# Altium PCB TwoFoot_PCB_m4T1Top2.PcbDoc (part 1 of 9)
Units mil, origin at the board's own origin, x right, y up, seen from the top; angles counter-clockwise.
Board outline 2525.58 x 2682.53 mil, 2 copper layers (Top Layer, Bottom Layer); 83 components, 113 nets, 349 pads, 87 vias.
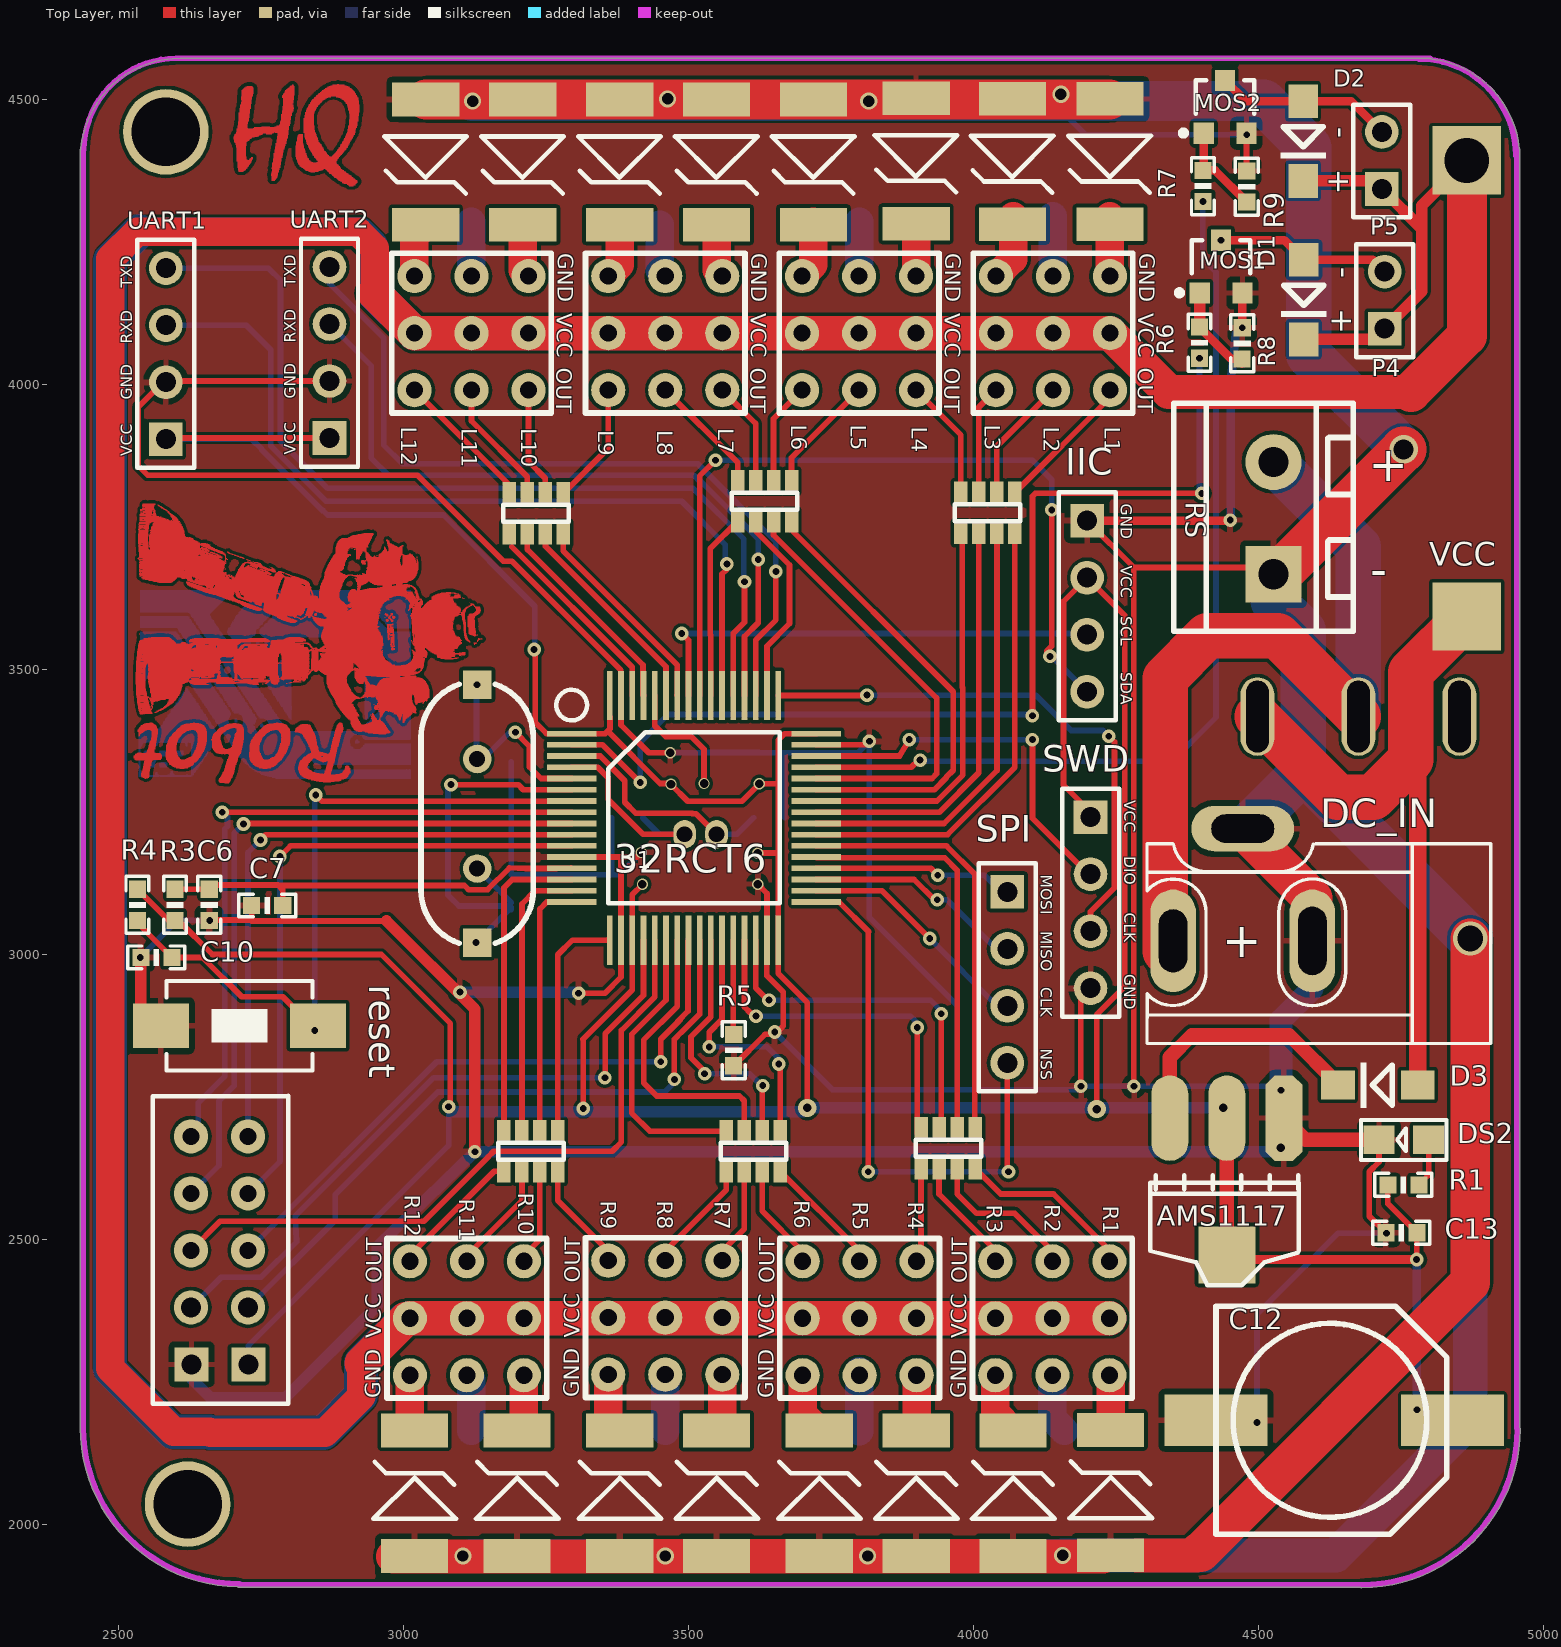
[diagram p0: Top Layer view]
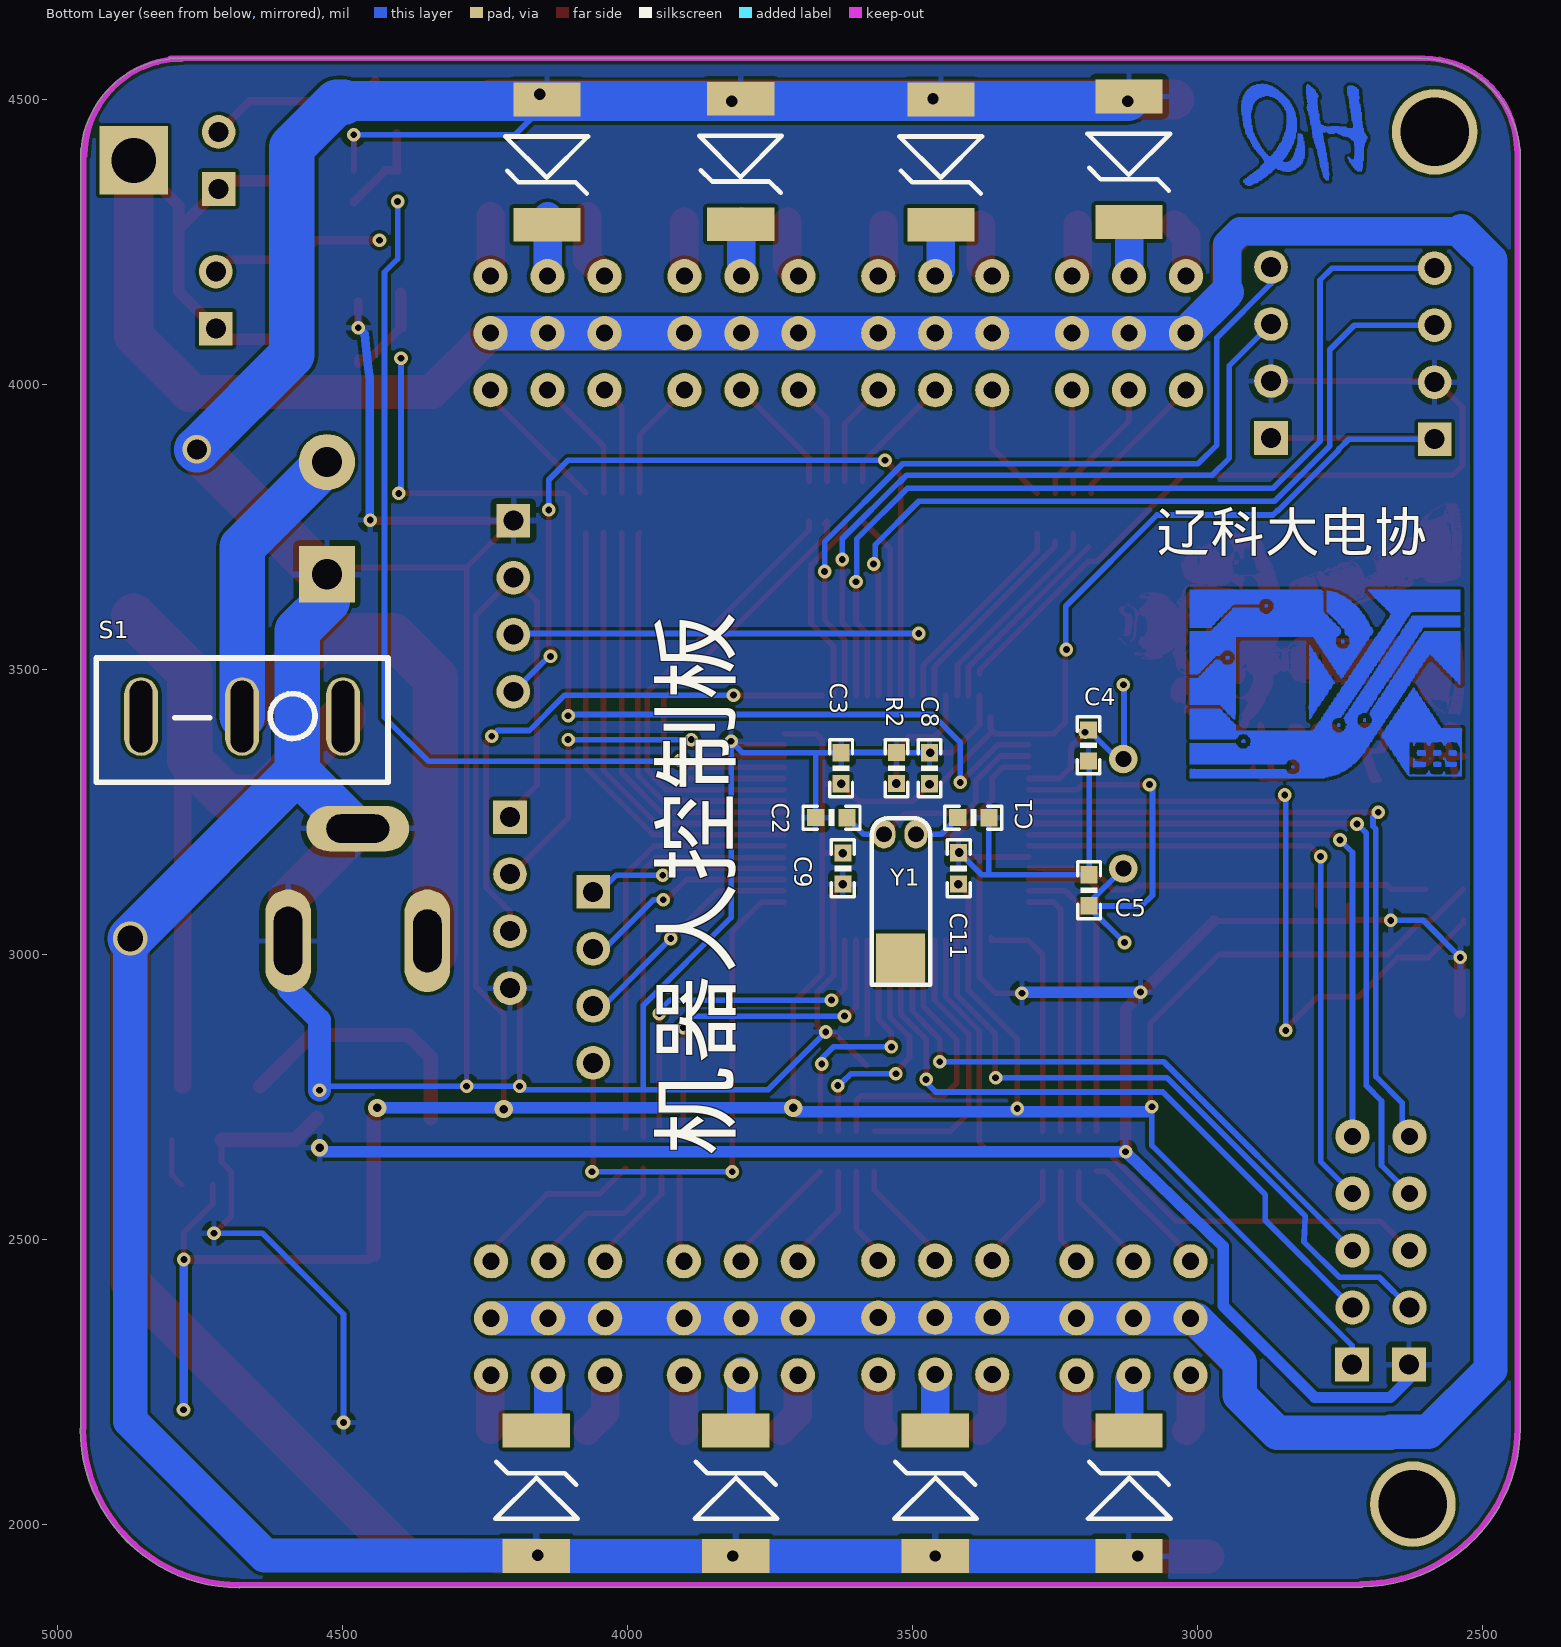
[diagram p1: Bottom Layer view, seen from below]

## Layer stack, top to bottom
Top Solder: solder mask 0.4, Solder Resist, Dk 3.5
Top Layer: signal copper 1.4
Dielectric 1: dielectric 12.6, FR-4, Dk 4.8
Bottom Layer: signal copper 1.4
Bottom Solder: solder mask 0.4, Solder Resist, Dk 3.5

## Board outline
2433.99,2170 ccw(c2713.05,2170) 2710.08,1890.96 ccw(c2713.05,1895) 2713.05,1889.98 4679.32,1889.98 ccw(c4681.5,1894.5) 4681.5,1889.49 ccw(c4681.5,2167.55) 4959.56,2167.55 ccw(c4954.55,2167.55) 4959.01,2169.83 ccw(c4954,2170) 4959.02,2170 4959.02,4411 ccw(c4954,4411) 4958.21,4413.72 ccw(c4784,4397) 4804.8,4570.77 ccw(c4801.5,4567) 4801.5,4572.02 2609,4572.02 ccw(c2609,4397) 2434.79,4413.72 ccw(c2439,4411) 2433.99,4411

## Design rules (kind name [scope] priority, off if disabled: settings)
Clearance [All] p1: gap=6 ignorepadtopadclearanceinfootprint=FALSE
FabricationTestpoint [All] p1: side=3 testpointundercomponent=TRUE minsize=40 maxsize=150 preferedsize=60 minholesize=0 maxholesize=40 preferedholesize=32 testpointgrid=1 allowsidetop=TRUE allowsidebottom=TRUE usegrid=TRUE gridtolerance=0.01
HoleSize [All] p1: absolutevalues=TRUE maxlimit=150 minlimit=1 maxpercent=80.000 minpercent=20.000
HoleToHoleClearance [All] p1: gap=6 allowstackedmicrovias=TRUE
MinimumSolderMaskSliver [All] p1: minsoldermaskwidth=1.5
PolygonConnect [All] p1: connectstyle=Relief reliefconductorwidth=10 reliefentries=4 polygonreliefangle="90 Angle" airgapwidth=10
RoutingVias [All] p1: holewidth=28 width=50 viastyle="Through Hole" minholewidth=10 minwidth=15 maxholewidth=120 maxwidth=150
ShortCircuit [All] p1: allowed=TRUE
SilkToSilkClearance [All] p1: silktosilkclearance=1
SilkToSolderMaskClearance [IsPad] p1: minsilkscreentomaskgap=2 clearancetoexposedcopper=TRUE
SolderMaskExpansion [All] p1: expansion=4
Width [All] p1: maxlimit=80 minlimit=4 preferedwidth=10
23 further rules are at their usual default settings.

## Components (designator, comment, footprint, x,y, rotation, side; value= is the part's Value field where it differs from the comment)
*1 "Header5x2" HDR2X5 2628,2381 r90 top
C1 "22" 0603P 3393,3240 r0 bottom
C2 "22" 0603P 3642,3240 r0 bottom
C3 "104" 0603P 3625,3327 r270 bottom
C4 "22" 0603P 3191,3367 r270 bottom
C5 "22" 0603P 3190,3113 r270 bottom
C6 "10UF" 0603P 2660,3087 r90 top
C7 "104" 0603P 2762,3086 r180 top
C8 "104" 0603P 3470,3327 r270 bottom
C9 "104" 0603P 3622,3151 r270 bottom
C10 "104" 0603P 2567,2995 r0 top
C11 "104" 0603P 3419,3151 r90 bottom
C12 "220uF" CAP1000UF 4626,2183 r180 top
C13 "104" 0603P 4751,2512 r0 top
D1 "1N4148" DIODE_SOP 4580,4219 r270 top
D2 "1N4148" DIODE_SOP 4579,4497 r270 top
D3 "1N4148" DIODE_SOP 4780,2771 r180 top
DC_IN "POWER" POWER_INDC 4770,3194 r180 top
DM1 "SMBJ" SMBJ 3020,2050 r90 top
DM2 "SMBJ" SMBJ 3210,4395 r270 top
DM3 "SMBJ" SMBJ 3120,2050 r90 bottom
DM4 "SMBJ" SMBJ 3120,4400 r270 bottom
DM5 "SMBJ" SMBJ 3200,2050 r90 top
DM6 "SMBJ" SMBJ 3040,4395 r270 top
DM7 "SMBJ" SMBJ 3380,2050 r90 top
DM8 "SMBJ" SMBJ 3550,4395 r270 top
DM9 "SMBJ" SMBJ 3460,2050 r90 bottom
DM10 "SMBJ" SMBJ 3450,4395 r270 bottom
DM11 "SMBJ" SMBJ 3550,2050 r90 top
DM12 "SMBJ" SMBJ 3380,4395 r270 top
DM13 "SMBJ" SMBJ 3730,2050 r90 top
DM14 "SMBJ" SMBJ 3900,4397 r270 top
DM15 "SMBJ" SMBJ 3810,2050 r90 bottom
DM16 "SMBJ" SMBJ 3801,4396 r270 bottom
DM17 "SMBJ" SMBJ 3900,2050 r90 top
DM18 "SMBJ" SMBJ 3720,4395 r270 top
DM19 "SMBJ" SMBJ 4070,2050 r90 top
DM20 "SMBJ" SMBJ 4240,4396 r270 top
DM21 "SMBJ" SMBJ 4160,2050 r90 bottom
DM22 "SMBJ" SMBJ 4141,4395 r270 bottom
DM23 "SMBJ" SMBJ 4241,2051 r90 top
DM24 "SMBJ" SMBJ 4069,4396 r270 top
DS2 "LED2" SMDLED 4799.04,2674.94 r180 top
ER1 "K" 8P4R_0603 3281,3809 r270 top
ER2 "K" 8P4R_0603 3177.01,2620 r90 top
ER3 "K" 8P4R_0603 3681.5,3830 r270 top
ER4 "K" 8P4R_0603 3567.01,2620 r90 top
ER5 "K" 8P4R_0603 3909,2625 r90 top
ER6 "K" 8P4R_0603 4072.99,3810 r270 top
H1 "hader_3*3" HEARD3X3 2812,2262 r90 top
H2 "hader_3*3" HEARD3X3 3420,4190 r270 top
H3 "hader_3*3" HEARD3X3 3160,2263 r90 top
H4 "hader_3*3" HEARD3X3 3760,4190 r270 top
H5 "hader_3*3" HEARD3X3 3501,2262 r90 top
H6 "hader_3*3" HEARD3X3 4100,4190 r270 top
H7 "hader_3*3" HEARD3X3 3839,2262 r90 top
H8 "hader_3*3" HEARD3X3 4440,4190 r270 top
IIC "OLED_IIC" "HDR1X4 _OLED" 4200,3761 r270 top (schematic designator P7)
MOS1 "SI2302" SOT-23R 4435,4201.74 r0 top
MOS2 "SI2302" SOT-23R 4442,4482 r0 top
P4 "LED_COM" HDR2 4722,4098 r90 top
P5 "LED_COM" HDR2 4717,4343 r90 top
R1 "1K" 0603P 4754.5,2596.06 r0 top
R2 "1.5K" 0603P 3528,3327 r90 bottom
R3 "10R" 0603P 2600,3087 r90 top
R4 "10K" 0603P 2534,3087 r90 top
R5 "10K" 0603P 3580,2832 r90 top
R6 "100R" 0603P 4397,4073 r90 top
R7 "100R" 0603P 4403,4348 r90 top
R8 "10K" 0603P 4472,4072 r90 top
R9 "10K" 0603P 4480,4347 r90 top
reset "KEY_M" SW_PB2_A1 2711,2875 r270 top (schematic designator KEY1)
RS "RS485" POWER_INCOM 4527,3667 r90 top
S1 "SW-SPDT" 纽子开关 4420,3260 r0 bottom
SPI "hader4" "HDR1X4 _NSS" 4060,3110 r270 top (schematic designator P2)
SWD "SWD" "HDR1X4 _S" 4206,3241 r270 top (schematic designator P3)
U1 "STM32F103RCT6" LQFP64 3295.87,3387.48 r0 top
U2 "RECTIFIER" RECTIFIER 4866,3693 r90 top
U3 "AMS1117-3.3" AMS1117 4545.03,2712.94 r180 top
UART1 "串口" HDR1X4 2584,3904 r90 top (schematic designator P1)
UART2 "串口" HDR1X4 2871,3906 r90 top (schematic designator P6)
Y1 "32.768K" XTAL32 3494,3211 r270 bottom
Y2 "8MHz" XTAL_US 3130,3343 r270 top

## Footprints (in the part's own frame and the unit in brackets; to place one, negate y for a bottom-side part, rotate by r counter-clockwise, add the part's x,y. Pads: shape width x height; smd on the part's side, far side on the other; paste and mask are expansions set on the pad)
8P4R_0603 [mm]
  rect 1.016x0.6 smd: 1(0,0) 2(1.778,0) 3(0,-0.8) 4(1.778,-0.8) 5(0,-1.6) 6(1.778,-1.6) 7(0,-2.4) 8(1.778,-2.4)
  silkscreen extent 0.51,-2.67 1.27,0.25
0603P [mil]
  rect 30x30 smd: 1(-27,0) 2(27.5,-0.06)
  silkscreen extent -50,-20 50,20
AMS1117 [mil]
  oct 65x150 smd: 1(0.03,-0.06)
  oval 65x150 smd: 2(100.03,-0.06) 3(200.03,-0.06)
  rect 100x100 smd: 4(100.03,239.94)
  silkscreen extent -26,100 234,293
CAP1000UF [mil]
  rect 180x90 smd: 1(-215,0) 2(200,0)
  silkscreen extent -205,-200 200,200
DIODE_SOP [mm] "二极管"
  rect 1.5x1.3 smd: 1(0,0) 2(3.556,0)
  silkscreen extent 1.14,-1.02 2.56,1.02
HDR1X4 [mm] "串口"
  rect 1.5x1.5 hole 0.889: 1(0,0)
  round 1.5 hole 0.889: 2(2.54,0) 3(5.08,0) 4(7.62,0)
  silkscreen extent -1.27,-1.27 8.89,1.27
"HDR1X4 _NSS" [mm] "SPI"
  rect 1.5x1.5 hole 0.889: 1(0,0)
  round 1.5 hole 0.889: 2(2.54,0) 3(5.08,0) 4(7.62,0)
  silkscreen extent -1.27,-1.27 8.89,1.27
"HDR1X4 _OLED" [mm] "OLED"
  rect 1.5x1.5 hole 0.889: 1(0,0)
  round 1.5 hole 0.889: 2(2.54,0) 3(5.08,0) 4(7.62,0)
  silkscreen extent -1.27,-1.27 8.89,1.27
"HDR1X4 _S" [mm] "SWD"
  rect 1.5x1.5 hole 0.889: 1(0,0)
  round 1.5 hole 0.889: 2(2.54,0) 3(5.08,0) 4(7.62,0)
  silkscreen extent -1.27,-1.27 8.89,1.27
HDR2 [mm] "LED_COM"
  rect 1.5x1.5 hole 0.889: 1(0,0)
  round 1.5 hole 0.889: 2(2.54,0)
  silkscreen extent -1.27,-1.27 3.75,1.27
HDR2X5 [mil] "插针"
  rect 60x60 hole 35: 0(-100,-1) 9(-100,-101)
  round 60 hole 35: 1(0,0) 8(0,-100)
  round 60 hole 30: 2(100,0) 3(200,0) 4(300,0) 5(300,-100) 6(200,-100) 7(100,-100)
  silkscreen extent -169,-171 371,67
HEARD3X3 [mil]
  round 60 hole 30: 1(0,-200) 2(0,-300) 3(0,-400) 4(100,-200) 5(100,-300) 6(100,-400) 7(200,-200) 8(200,-300) 9(200,-400)
  silkscreen extent -40,-440 240,-160
LQFP64 [mm] "32103RCT6"
  rect 2.2x0.254 smd: 1(0,0) 2(0,-0.5) 3(0,-1) 4(0,-1.5) 5(0,-2) 6(0,-2.5) 7(0,-3) 8(0,-3.5) 9(0,-4) 10(0,-4.5) 11(0,-5) 12(0,-5.5) 13(0,-6) 14(0,-6.5) 15(0,-7) 16(0,-7.5) 33(10.9,-7.5) 34(10.9,-7) 35(10.9,-6.5) 36(10.9,-6) 37(10.9,-5.5) 38(10.9,-5) 39(10.9,-4.5) 40(10.9,-4) 41(10.9,-3.5) 42(10.9,-3) 43(10.9,-2.5) 44(10.9,-2) 45(10.9,-1.5) 46(10.9,-1) 47(10.9,-0.5) 48(10.9,0)
  rect 0.254x2.2 smd: 17(1.7,-9.2) 18(2.2,-9.2) 19(2.7,-9.2) 20(3.2,-9.2) 21(3.7,-9.2) 22(4.2,-9.2) 23(4.7,-9.2) 24(5.2,-9.2) 25(5.7,-9.2) 26(6.2,-9.2) 27(6.7,-9.2) 28(7.2,-9.2) 29(7.7,-9.2) 30(8.2,-9.2) 31(8.7,-9.2) 32(9.2,-9.2) 49(9.2,1.7) 50(8.7,1.7) 51(8.2,1.7) 52(7.7,1.7) 53(7.2,1.7) 54(6.7,1.7) 55(6.2,1.7) 56(5.7,1.7) 57(5.2,1.7) 58(4.7,1.7) 59(4.2,1.7) 60(3.7,1.7) 61(3.2,1.7) 62(2.7,1.7) 63(2.2,1.7) 64(1.7,1.7)
  silkscreen extent -0.68,-7.56 9.26,1.95
POWER_INCOM [mm] "双端子"
  rect 2.5x2.5 hole 1.35: 1(0,0)
  round 2.5 hole 1.35: 2(5,0)
  silkscreen extent -2.54,-3.56 7.62,4.45
POWER_INDC [mil] "DC电源座"
  oval 80x180 hole 50 slot 110 at 90 deg: 1(419.09,170)
  oval 80x180 hole 50 slot 120 at 90 deg: 2(175,170)
  oval 180x80 hole 50 slot 110 at 0 deg: 3(297.05,-26.85)
  silkscreen extent -138,0 465,350
RECTIFIER [mil] "整流桥"
  rect 120x120 smd: 1(-100,0)
  rect 120x120 hole 78.74: 2(700,0)
SMBJ [mm] "保险管"
  rect 1.5x3 smd: 1(-2.667,0) 2(2.921,0)
  silkscreen extent -1.02,-1.85 1.52,1.83
SMDLED [mm]
  rect 1.4x1.27 smd: 1(0.001,-0.002) 2(2.211,-0.002)
  silkscreen extent -0.8,-0.89 3.01,0.89
SOT-23R [mm] "MOS管"
  rect 0.9x0.95 smd: 1(-0.95,-1.048) 2(0.95,-1.048) 3(0,1.302)
  silkscreen extent -1.98,-1.17 1.3,1.3
SW_PB2_A1 [mm]
  rect 2x2.5 smd: 1(0,3.556) 2(0,-3.444)
  silkscreen extent -2,-3.19 2,3.31, body extent -2.03,-3.18 2.03,3.3, height 1.2
XTAL32 [mil] "32.768K晶振"
  oval 50x40 hole 28: 1(0,0) 2(0,-56)
  rect 92.13x86 smd: ""(220,-27)
  silkscreen extent -28,-77 264,25
XTAL_US [mil] "8M晶振"
  round 50 hole 28: 1(0,0) 2(192.13,0)
  rect 50x50 smd: ""(-130.32,0) ""(322.44,0)
  silkscreen extent -131,-98 323,98
纽子开关 [mm]
  oval 1.5x3.5 hole 1 slot 3.2 at 90 deg: 1(2,-4) 2(6.5,-4) 3(11,-4)
  silkscreen extent 0,-6.6 13,-1.07

## Part data
C1 C2 C3 C4 C5 C6 C7 C8 C9 C10 C11 C13: library part C
C12: library part CAP
D1 D2 D3: library part D
DC_IN: library part POWER_INDC
DM1 DM2 DM3 DM4 DM5 DM6 DM7 DM8 DM9 DM10 DM11 DM12 DM13 DM14 DM15 DM16 DM17 DM18 DM19 DM20 DM21 DM22 DM23 DM24: "保险管5.0A"
DS2: "Typical RED, GREEN, YELLOW, AMBER GaAs LED", PackageDocument=Feb-2002, LatestRevisionDate=17-Jul-2002, LatestRevisionNote="Re-released for DXP Platform.", PackageReference=3.2X1.6X1.1, Published=8-Jun-2000, Publisher="Altium Limited"
ER1 ER2 ER3 ER4 ER5 ER6: library part 0606_exclusion, "排阻"
MOS1 MOS2: library part MOS管
P4 P5: library part COM_LED
R1 R2 R3 R4 R5 R6 R7 R8 R9: library part R
RS: library part POWER_INCOM
S1: "开关", ComponentLink1Description="Manufacturer Link", ComponentLink1URL=http://www.apem.com, DatasheetDocument=05-Dec-2000, LatestRevisionDate=17-Dec-2003, LatestRevisionNote="Schematic revised, PCB Footprint replaced.", PackageReference=TL36WW15050, Published=24-Mar-1999, Publisher="Altium Limited"
SPI: "NSS"
SWD: library part "Header 4", LatestRevisionDate=17-Jul-2002, LatestRevisionNote="Re-released for DXP Platform.", Publisher="Altium Limited"
U2: "整流桥"
U3: library part AMS1117
UART1 UART2: library part "Header 4_1", LatestRevisionDate=17-Jul-2002, LatestRevisionNote="Re-released for DXP Platform.", Publisher="Altium Limited"
Y1 Y2: library part XTAL, "Crystal Oscillator", LatestRevisionDate=17-Jul-2002, LatestRevisionNote="Re-released for DXP Platform.", Published=8-Jun-2000, Publisher="Altium Limited"

## Free pads (board coordinates)
  round 150 hole 120: 2(2584,4443) 2(2622,2036)

## Via types
v1: diameter 24, hole 12, Top Layer to Bottom Layer, 65 vias
v2: diameter 30, hole 20, Top Layer to Bottom Layer, 8 vias
v3: diameter 20, hole 15, Top Layer to Bottom Layer, 8 vias
v4: diameter 32, hole 15, Top Layer to Bottom Layer, 3 vias
v5: diameter 60, hole 45, Top Layer to Bottom Layer, 1 vias
v6: diameter 50, hole 35, Top Layer to Bottom Layer, 1 vias
v7: diameter 30, hole 15, Top Layer to Bottom Layer, 1 vias

## Nets (pads, with @x,y where several pads share a name; then routed paths per layer and width w, separated by ;. In a path a pad name is that pad's centre, name@x,y a point inside that pad or via, vN(x,y) a via of type N, cw(c..) or ccw(c..) an arc to the next point about the centre after c; other vN are vias at no path point)
ADC1: *1.4 U1.8 | length 1211.4
  Top Layer w10: v1(2683,3249.69) U1.8@3295.87,3249.69
  Bottom Layer w10: *1.4@2628,2681 2641,2694 2641,2740 2687,2786 2687,3220.04 2692,3225.04 2692,3241.69 v1@2684,3249.69
ADC2: *1.3 U1.9 | length 1262.4
  Top Layer w10: v1(2720,3229) 2721,3230 U1.9@3295.87,3230
  Bottom Layer w10: *1.3@2628,2581 2677,2630 2677,2743 2704,2770 2704,3213 v1(2720,3229)
ADC3: *1.5 U1.10 | length 1078.8
  Top Layer w10: v1(2750,3201) 2759.32,3210.32 U1.10@3295.87,3210.32
  Bottom Layer w10: *1.5@2728,2681 2728,3179 v1(2750,3201)
ADC4: *1.6 U1.11 | length 1133.8
  Top Layer w10: v1(2784,3172) 2802.63,3190.63 U1.11@3295.87,3190.63
  Bottom Layer w10: *1.6@2728,2581 2784,2637 v1(2784,3172)
ADC5: *1.1 U1.20 | length 1190
  Top Layer w10: v1@3354.69,2784.69 3354.69,2861.31 3421.85,2928.48 U1.20@3421.85,3025.28
  Bottom Layer w10: *1.1@2628,2381 2681,2434 2751,2434 2813,2496 2811,2541.37 3053.63,2784 v1(3354,2784)
ADC6: *1.2 U1.21 | length 1212.5
  Top Layer w10: *1.2@2628,2481 2679,2532 3036.53,2532 3149,2644.47 3149,2645 3159,2655 3367,2655 3383,2671 3383,2867 3441.54,2925.54 U1.21@3441.54,3025.28
ADC7: *1.7 U1.24 | length 1099.7
  Top Layer w10: v1(3452,2812) 3452,2851.3 3482,2881.3 ; 3482,2880.88 3482,2881.3 ; 3485.98,2885.28 3482,2881.3 ; U1.24@3500,3024.69 3500,2900.71 3482,2882.71 3482,2881.3
  Bottom Layer w10: *1.7@2728,2481 3059,2812 v1(3452,2812)
ADC8: *1.8 U1.25 | length 1205.8
  Top Layer w10: v1(3476,2781) 3476,2851.25 3488.63,2863.88 3489.04,2863.88 3520.28,2895.12 U1.25@3520.28,3025.28
  Bottom Layer w10: *1.8@2728,2381 2881,2534 2881,2579 3061,2759 3459,2759 3476,2776 v1(3476,2781)
GND_A: *1.0 C1.1 C2.2 C3.1 C4.2 C5.1 C6.1 C7.2 C8.1 C9.2 C10.1 C11.2 C12.2 C13.1 DC_IN.2 DC_IN.3 DM1.1 DM2.1 DM3.1 DM4.1 DM5.1 DM6.1 DM7.1 DM8.1 DM9.1 DM10.1 DM11.1 DM12.1 DM13.1 DM14.1 DM15.1 DM16.1 DM17.1 DM18.1 DM19.1 DM20.1 DM21.1 DM22.1 DM23.1 DM24.1 DS2.2 IIC.1 MOS1.2 MOS2.2 R2.2 R5.1 R8.2 R9.2 reset.2 RS.1 SWD.4 U1.12 U1.18 U1.31 U1.47 U1.63 U3.1 UART1.2 UART2.2 | length 23179.9
  Top Layer w10: C6.1@2660,3060 v1(2661,3060) 2661.5,3060.5 2734.5,3060.5 ; C7.2@2734.5,3086.06 2734.5,3060.5 ; UART2.2@2871,4006 2586,4006 UART1.2@2584,4004 2579,4004 2535,3960 2535,3858 2552,3841 3025,3841 3176,3690 3191.07,3690 3382,3499.07 U1.63@3382,3493 ; 2971,3059 2734.5,3059 2734.5,3060.5 ; U1.12@3295.87,3170.95 3381,3170.95 ; v1(3308,2932) 3354,2932 3382.48,2960.48 U1.18@3382.48,3025.28 3382.48,3169.46 3381,3170.95 ; U1.63@3382.48,3454.41 3382.48,3402.52 3431,3354 v3(3469,3354) ; v3(3418,3179) 3409.95,3170.95 3381,3170.95 ; R5.1@3580,2805 3635,2860 3652.44,2860 3667,2874.56 3667,2934 3638,2963 U1.31@3638,3039 ; v3(3622.06,3123.5) 3638.39,3107.18 U1.31@3638.39,3025.28 ; U1.47@3725,3367.8 3811.8,3367.8 v1(3818,3374) ; v1(4189,2769) 4189,2943 4201,2955 SWD.4@4198,2958 ; IIC.1@4200,3761 4282,3679 ; v1(4282,2769) 4282,3679 ; MOS2.2@4479.4,4440.74 4479.4,4375.16 R9.2@4480.06,4374.5 ; RS.1@4527,3667 4515,3679 4282,3679 ; DS2.2@4712,2675 4712,2636 4695,2619 4695,2541 C13.1@4724,2512
  Top Layer w15: IIC.1@4200,3761 v1@4453,3761 ; v1(4472.06,4099.5) MOS1.2@4472.06,4146
  Top Layer w20: reset.2@2540,2898 C10.1@2540,2995 ; 2971,3059 3126,2904 v1(3126,2654)
  Top Layer w25: U3.1@4545,2713 4583,2675 DS2.2@4712,2675
  Top Layer w50: DM6.1@3040,4500 3043,4497 v2(3122,4497) ; DC_IN.2@4595,3024 DC_IN.2@4595,3098.8
  Top Layer w60: DM1.1@2983,1944 3200,1944 DM23.1@4228,1944 ; DM7.1@3380,1945 v2(3460,1945) DM11.1@3550,1945 DM13.1@3730,1945 v2(3815,1945) DM17.1@3900,1945 DM19.1@4070,1945 ; DM23.1@4287,1946 4392,1946 4398,1952
  Top Layer w70: DM6.1@3040,4500 DM2.1@3210,4500 DM12.1@3380,4500 DM8.1@3550,4500 DM18.1@3720,4500 DM20.1@4239,4500 ; 4398,1952 4399,1952 4872,2425 v5(4872,3028) ; DC_IN.3@4472.95,3220.85 DC_IN.2@4595,3098.8
  Top Layer w80: RS.1@4536,3667 v6(4755,3886)
  Bottom Layer w10: v1(2539,2995) 2604,3060 v1(2661,3060) ; UART1.2@2563,4004 UART1.2@2584,4004 ; C4.2@3190,3338.44 C5.1@3190,3140 3379,3140 v3(3418,3179) ; 3366,3141 C1.1@3366,3240 ; v3(3469,3354) 3527.44,3354 R2.2@3527.94,3354.5 3624.5,3354.5 C3.1@3625,3354 3798,3354 v1(3818,3374) 3818,3065 3972,2911 3972,2769 ; v1(3652,2864) 3753,2763 4183,2763 v1(4189,2769) v1(4282,2769) 4533,2769 v1(4540,2762) ; C2.2@3669.5,3240.06 3669.5,3353.5 ; DM22.1@4138,4497 4197,4438 v1(4480,4438) ; v1(4498,2179) 4498,2369 4640,2511 v1(4725,2511)
  Bottom Layer w15: v1(4451,3762) 4452,3762 4452,4009.75 4454.25,4029.56 4458.75,4069.19 4461,4089 4471.5,4099.5 v1(4472.06,4099.5)
  Bottom Layer w20: *1.0@2629,2281 2629,2255.91 2661.91,2223 2792,2223 ; 2794,2223 2955,2384 2955,2488.38 v1(3126,2654) v7@4540,2654 ; v1(3100,2934) 3306,2934 v1(3308,2932)
  Bottom Layer w30: DC_IN.2@4595,2940 DC_IN.2@4595,3024
  Bottom Layer w40: v1(4540,2762) 4540,2885 DC_IN.2@4595,2940
  Bottom Layer w60: DM3.1@3120,1945 v2(3460,1945) DM15.1@3810,1945 v2(3815,1945) DM21.1@4160,1945 ; v2(4157,1946) 4636,1946 4872,2182 v5(4872,3028)
  Bottom Layer w70: v2(3122,4497) 3464,4497 v2(3817,4497) 4138,4497 4154,4497 4496,4497 4498,4495 ; DC_IN.3@4472.95,3220.85 DC_IN.3@4478.85,3220.85
  Bottom Layer w80: DC_IN.3@4478.85,3220.85 4579,3321 ; 4498,4495 4510,4495 4589,4416 4589,4052 v6(4755,3886) ; RS.1@4527,3667 4527,3620 4579,3568 4579,3321 ; v5(4872,3028) 4579,3321
  other v2: 3105,1945 3464,4501 4154,4509
  other v7: 4540,2661
IIC_SCL: IIC.3 U1.57 | length 825.2
  Top Layer w10: v1(3489,3563) 3500.59,3551.41 U1.57@3500.59,3454.41
  Bottom Layer w10: v1(3489,3563) 4198,3563 IIC.3@4200,3561
IIC_SDA: IIC.4 U1.56 | length 1427.8
  Top Layer w10: U1.56@3520.28,3454.41 3520.28,3839.28 v1(3548,3867) v1@3551,3864 ; v1@4129,3532 4138,3541 v1(4138,3780)
  Bottom Layer w10: v1(3548,3867) 4104,3867 4138,3833 v1(4138,3780) ; v1(4135,3523) 4138,3523 IIC.4@4200,3461
L1: ER1.1 H4.9 | length 213.7
  Top Layer w10: ER1.1@3281,3809 3360,3888 H4.9@3360,3990
L2: ER3.3 H6.9 | length 180.7
  Top Layer w10: ER3.3@3650,3830 3650,3940 H6.9@3700,3990
L3: ER3.1 H6.8 | length 209.1
  Top Layer w10: ER3.1@3681.5,3830 3681.5,3871.5 H6.8@3800,3990
L4: ER6.7 H6.7 | length 212.5
  Top Layer w10: H6.7@3900,3990 3978.5,3911.5 ER6.7@3978.5,3810
LED1: R6.1 U1.2 | length 1843.5
  Top Layer w10: U1.2@3296.07,3368 3350,3368 v1(3416,3302) ; v1(4104,3419) 4104,3804 4109,3809 v1(4401,3809)
  Bottom Layer w10: v1(3416,3302) 3416,3372 3465,3421 4102,3421 v1(4104,3419) ; v1@4397,3813 v1(4397,4046)
LED2: R7.1 U1.45 | length 1660.6
  Top Layer w10: U1.45@3725,3328.43 3891.43,3328.43 3904,3341 v1(3907,3341) v1@3907,3333.85
  Bottom Layer w10: v1(3907,3341) 3909,3339 4349,3339 4426,3416 4426,4197 4403,4220 v1(4403,4321)
MISO: SPI.2 U1.35 | length 385.4
  Top Layer w10: U1.35@3725,3131.58 3896.42,3131.58 3932,3096 v1(3937,3096)
  Bottom Layer w10: v1(3937,3096) 3954,3096 4040,3010 SPI.2@4060,3010
MOSI: SPI.1 U1.36 | length 341.1
  Top Layer w10: U1.36@3725,3151.26 3925.74,3151.26 v1(3938,3139)
  Bottom Layer w10: v1(3938,3139) 4020,3139 SPI.1@4049,3110
NetC1_2: C1.2 U1.4 Y1.1 | length 354.5
  Top Layer w10: U1.4@3295.87,3328.43 3341.46,3328.43 3360,3309.89 3360,3272 3420.96,3211 Y1.1@3494,3211
  Bottom Layer w10: C1.2@3420.5,3240.06 3449.57,3211 Y1.1@3494,3211
NetC2_1: C2.1 U1.3 Y1.2 | length 410.6
  Top Layer w10: U1.3@3295.87,3348.11 3345.85,3348.11 3389,3304.96 3389,3267 3408,3248 3507.25,3248 3507.55,3247.71 ; 3506.84,3247 3514,3247 Y1.2@3550,3211
  Bottom Layer w10: Y1.2@3550,3211 3586,3211 C2.1@3615,3240
NetC4_1: C4.1 U1.5 Y2.1 | length 368.7
  Top Layer w10: v1(3197,3390) 3222,3365 3222,3329 3242.26,3308.74 U1.5@3295.87,3308.74
  Bottom Layer w10: Y2.1@3129,3343 v1@3129,3476 ; Y2.1@3130,3343 3140,3343 C4.1@3191,3394
  other v1: 3130,3473.32
NetC5_2: C5.2 U1.6 Y2.2 | length 705.5
  Top Layer w10: v1(3084,3298) 3202,3298 3210.94,3289.06 U1.6@3295.87,3289.06
  Bottom Layer w10: v1(3084,3298) 3079,3293 3079,3104 3098,3085 C5.2@3188.13,3085 ; v1(3128,3021) 3190.06,3083.06 C5.2@3190.06,3078.94 ; Y2.2@3130,3150.87 C5.2@3190.06,3090.81
NetC6_2: C6.2 C7.1 R3.2 U1.13 | length 755.5
  Top Layer w10: R3.2@2600.06,3114.5 C6.2@2660.06,3114.5 2667.56,3122 2780.5,3122 2781.5,3121 ; C7.1@2789,3086 2789,3113.5 2781.5,3121 ; U1.13@3295.13,3152 3268.97,3151 3214.66,3151 3186.5,3152 3148.37,3113.87 3114.67,3113.87 3107.55,3121 2781.5,3121
NetD1_1: D1.1 MOS1.3 P4.2 | length 314
  Top Layer w15: v1(4435,4253) 4546,4253 D1.1@4580,4219 4701,4219 P4.2@4722,4198
  Bottom Layer w15: v1(4435,4253) v1@4438,4250
NetD2_1: D2.1 MOS2.3 P5.2 | length 312.4
  Top Layer w15: MOS2.3@4442,4533.26 4478.26,4497 D2.1@4579,4497 4663,4497 P5.2@4717,4443
NetD3_2: D3.2 U3.3 | length 459.4
  Top Layer w25: U3.3@4345,2713 4345,2820 4384,2859 4554,2859 D3.2@4644,2769
NetDM1_2: DM1.2 H1.1 | length 100.3
  Top Layer w50: H1.1@3012,2262 3012,2173 DM1.2@3020,2165
NetDM2_2: DM2.2 H2.1 | length 94.1
  Top Layer w50: DM2.2@3210,4280 3210,4200 H2.1@3220,4190
NetDM3_2: DM3.2 H1.2 | length 100.3
  Bottom Layer w50: H1.2@3112,2262 3120,2254 DM3.2@3120,2165
NetDM4_2: DM4.2 H2.2 | length 95
  Bottom Layer w50: H2.2@3120,4190 DM4.2@3120,4285
NetDM5_2: DM5.2 H1.3 | length 102
  Top Layer w50: DM5.2@3200,2165 3212,2177 H1.3@3212,2262
NetDM6_2: DM6.2 H2.3 | length 98.3
  Top Layer w50: H2.3@3020,4190 3020,4260 DM6.2@3040,4280
NetDM7_2: DM7.2 H3.1 | length 106.3
  Top Layer w50: H3.1@3360,2263 3360,2185 DM7.2@3380,2165
NetDM8_2: DM8.2 H4.1 | length 94.1
  Top Layer w50: DM8.2@3550,4280 3550,4200 H4.1@3560,4190
NetDM9_2: DM9.2 H3.2 | length 98
  Bottom Layer w50: DM9.2@3460,2165 H3.2@3460,2263
NetDM10_2: DM10.2 H4.2 | length 94.1
  Bottom Layer w50: DM10.2@3450,4280 3450,4200 H4.2@3460,4190
NetDM11_2: DM11.2 H3.3 | length 102.1
  Top Layer w50: DM11.2@3550,2165 3560,2175 H3.3@3560,2263
NetDM12_2: DM12.2 H4.3 | length 98.3
  Top Layer w50: H4.3@3360,4190 3380,4210 DM12.2@3380,4280
NetDM13_2: DM13.2 H5.1 | length 109
  Top Layer w50: H5.1@3701,2262 3701,2194 DM13.2@3730,2165
NetDM14_2: DM14.2 H6.1 | length 95
  Top Layer w50: H6.1@3900,4190 DM14.2@3900,4285
NetDM15_2: DM15.2 H5.2 | length 105
  Bottom Layer w50: DM15.2@3800,2164 H5.2@3800,2269
NetDM16_2: DM16.2 H6.2 | length 95
  Bottom Layer w50: H6.2@3800,4190 DM16.2@3800,4285
NetDM17_2: DM17.2 H5.3 | length 97.4
  Top Layer w50: DM17.2@3900,2165 3901,2166 H5.3@3901,2262
NetDM18_2: DM18.2 H6.3 | length 103.3
  Top Layer w50: H6.3@3700,4190 3720,4210 DM18.2@3720,4285
NetDM19_2: DM19.2 H7.1 | length 109.8
  Top Layer w50: H7.1@4039,2262 4039,2196 DM19.2@4070,2165
NetDM20_2: DM20.2 H8.1 | length 105
  Top Layer w50: H8.1@4240,4190 DM20.2@4240,4295
NetDM21_2: DM21.2 H7.2 | length 105.7
  Bottom Layer w50: H7.2@4139,2262 4139,2186 DM21.2@4160,2165
NetDM22_2: DM22.2 H8.2 | length 105
  Bottom Layer w50: H8.2@4140,4190 DM22.2@4140,4295
NetDM23_2: DM23.2 H7.3 | length 96.8
  Top Layer w50: H7.3@4239,2262 4241,2260 DM23.2@4241,2166
NetDM24_2: DM24.2 H8.3 | length 117.4
  Top Layer w50: H8.3@4040,4190 4070,4220 DM24.2@4070,4295
NetDS2_1: DS2.1 R1.2 | length 86
  Top Layer w10: R1.2@4782,2596 4799.01,2613.01 DS2.1@4799.01,2675
NetER1_3: ER1.3 H2.7 | length 193.2
  Top Layer w10: H2.7@3220,3990 3220,3865 3249.5,3835.5 ER1.3@3249.5,3809
NetER1_5: ER1.5 H2.8 | length 240.1
  Top Layer w10: H2.8@3138.5,3990 H2.8@3120,3990 3120,3936 3218.01,3837.99 ER1.5@3218.01,3809
NetER1_7: ER1.7 H2.9 | length 250
  Top Layer w10: H2.9@3020,3990 3186.51,3823.49 ER1.7@3186.51,3809
NetER2_1: ER2.1 H1.7 | length 212.2
  Top Layer w10: H1.7@3022,2482 3160,2620 ER2.1@3177.01,2620
NetER2_3: ER2.3 H1.8 | length 176.7
  Top Layer w10: H1.8@3120,2480 3208.5,2568.5 ER2.3@3208.5,2620
NetER2_5: ER2.5 H1.9 | length 148.3
  Top Layer w10: H1.9@3220,2480 3240,2500 ER2.5@3240,2620
NetER2_7: ER2.7 H3.7 | length 176.7
  Top Layer w10: ER2.7@3271.5,2620 3271.5,2568.5 H3.7@3360,2480
NetER3_5: ER3.5 H4.7 | length 184.2
  Top Layer w10: H4.7@3560,3990 3618.5,3931.5 ER3.5@3618.5,3830
NetER3_7: ER3.7 H4.8 | length 212.6
  Top Layer w10: H4.8@3460,3990 3587.01,3862.99 ER3.7@3587.01,3830
NetER4_1: ER4.1 H3.8 | length 184.3
  Top Layer w10: H3.8@3460,2480 3567.01,2587.01 ER4.1@3567.01,2620
NetER4_3: ER4.3 H3.9 | length 155.9
  Top Layer w10: H3.9@3560,2480 3598.5,2518.5 ER4.3@3598.5,2620
NetER4_5: ER4.5 H5.7 | length 169
  Top Layer w10: ER4.5@3630,2620 3630,2550 H5.7@3700,2480
NetER4_7: ER4.7 H5.8 | length 197.4
  Top Layer w10: ER4.7@3661.5,2620 3800,2481.5 H5.8@3800,2480
NetER5_1: ER5.1 H5.9 | length 133.5
  Top Layer w10: H5.9@3900,2480 3908.5,2488.5 ER5.1@3908.5,2610
NetER5_3: ER5.3 H7.7 | length 171.4
  Top Layer w10: ER5.3@3940,2610 3940,2580 H7.7@4040,2480
NetER5_5: ER5.5 H7.8 | length 254.4
  Top Layer w10: ER5.5@3971.99,2625 3971.99,2580.01 4006,2546 4073,2546 4139,2480 H7.8@4140,2480
NetER5_7: ER5.7 H7.9 | length 296.2
  Top Layer w10: ER5.7@4003.49,2625 4048.49,2580 4141,2580 H7.9@4240,2481
NetER6_1: ER6.1 H8.7 | length 249.2
  Top Layer w10: ER6.1@4072.99,3810 4240,3977.01 H8.7@4240,3990
NetER6_3: ER6.3 H8.8 | length 220.8
  Top Layer w10: ER6.3@4041.5,3810 4041.5,3891.5 H8.8@4140,3990
NetER6_5: ER6.5 H8.9 | length 192.4
  Top Layer w10: ER6.5@4010,3810 4010,3960 H8.9@4040,3990
NetMOS1_1: MOS1.1 R6.2 R8.1 | length 167.2
  Top Layer w15: R6.2@4397.06,4100.5 4452.56,4045 R8.1@4472,4045 R8.1@4472,4035.97
  Top Layer w20: R6.2@4397.06,4100.5 4397.6,4101.03 MOS1.1@4397.6,4160.48
NetMOS2_1: MOS2.1 R7.2 R9.1 | length 163.6
  Top Layer w15: R7.2@4403.06,4375.5 4424.5,4375.5 R9.1@4480,4320 ; R7.2@4404.6,4377.03 MOS2.1@4404.6,4440.74
NetR2_1: R2.1 U1.60 | length 216.6
  Top Layer w10: U1.60@3441.54,3454.41 3441.54,3401.46 3461,3382 3506,3382 3528,3360 v3(3528,3300)
NetR5_2: R5.2 U1.28 | length 166.1
  Top Layer w10: U1.28@3579.33,3025.28 3579.33,2860.23 R5.2@3580.06,2859.5
NSS: SPI.4 U1.33 | length 961
  Top Layer w10: U1.33@3725,3092.21 3764.79,3092.21 3817,3040 3816,3039 v1(3816,2619) ; v1@4060,2627 SPI.4@4060,2810
  Bottom Layer w10: v1(3816,2619) v1@4059,2619
  other v1: 4062,2619
PWM_1: ER6.6 U1.41 | length 734.8
  Top Layer w10: U1.41@3725,3249.69 3940.81,3249.69 4010,3318.88 ER6.6@4010,3740
PWM_2: ER6.8 U1.42 | length 702.4
  Top Layer w10: U1.42@3725,3269.37 3936.45,3269.37 3982,3314.92 3982,3468.04 3981,3469.04 3981,3737.5 ER6.8@3978.5,3740
PWM_3: ER3.2 U1.43 | length 809.1
  Top Layer w10: ER3.2@3681.5,3760 3681.5,3744.5 3965,3461 3965,3323.37 3953,3311.37 3953,3309.96 3932.1,3289.06 U1.43@3725,3289.06
PWM_4: ER3.4 U1.44 | length 782.1
  Top Layer w10: ER3.4@3654.39,3755.61 ER3.4@3650,3760 3650,3736 3936,3450 3936,3317 3927.74,3308.74 U1.44@3725,3308.74
PWM_5: ER3.6 U1.50 | length 346.6
  Top Layer w10: ER3.6@3618.5,3760 3618.5,3742.88 3678,3683.39 3678,3580.53 3638.39,3540.91 U1.50@3638.39,3454.41
PWM_6: ER3.8 U1.55 | length 325.9
  Top Layer w10: U1.55@3539.96,3454.41 U1.55@3539.96,3454.41 3540,3560.15 3539,3561.15 3539,3711.99 ER3.8@3587.01,3760
PWM_7: ER5.2 U1.29 | length 612.7
  Top Layer w10: U1.29@3599.02,3025.28 3599.02,2907.98 v1@3609,2898 ; v1(3902,2872) 3902,2686.5 ER5.2@3908.5,2680
  Bottom Layer w10: v1(3619,2892) 3890,2892 v1@3901,2881
PWM_8: ER5.4 U1.30 | length 650
  Top Layer w10: U1.30@3618.7,3025.28 3618.7,2941.3 3642,2918 v1(3642,2920) ; ER5.4@3940,2680 3944,2684 v1(3944,2896)
  Bottom Layer w10: v1(3642,2920) 3925,2920 v1@3946.5,2898.5
PWM_9: ER4.2 U1.22 | length 507.5
  Top Layer w10: U1.22@3461.22,3025.28 3461.22,2920.22 3401,2860 3401,2722 3433,2690 ER4.2@3567.01,2690
PWM_10: ER4.4 U1.23 | length 517.7
  Top Layer w10: U1.23@3481,3025.18 3481,2909 3422,2850 3422,2775 3445,2752 3590,2752 3598.5,2743.5 ER4.4@3598.5,2690
PWM_11: ER4.6 U1.26 | length 429.7
  Top Layer w10: v1@3525,2799 3505,2819 3505,2855.8 3539.96,2890.76 U1.26@3539.96,3025.28 ; ER4.6@3630,2690 3630,2769 v1(3631,2770)
  Bottom Layer w10: v1(3529,2791) 3608,2791 v1@3623,2776
PWM_12: ER4.8 U1.27 | length 447.4
  Top Layer w10: v1(3537,2838) 3537,2863.76 3559.65,2886.4 U1.27@3559.65,3025.28 ; v1(3659,2808) 3661.5,2805.5 ER4.8@3661.5,2690
  Bottom Layer w10: v1(3537,2838) 3639,2838 v1@3660,2817
PWM_13: ER1.2 U1.58 | length 368.7
  Top Layer w10: ER1.2@3281,3739 3281,3707.82 3480.91,3507.91 U1.58@3480.91,3454.41 U1.58@3480,3455.32
PWM_14: ER1.4 U1.59 | length 358.1
  Top Layer w10: ER1.4@3250,3725 3250,3716.19 3461.22,3504.97 U1.59@3461.22,3454.41
PWM_15: ER1.6 U1.61 | length 369.2
  Top Layer w10: ER1.6@3218.01,3739 3218.01,3710.62 3218.38,3710.62 3421,3508 3421,3455.26 U1.61@3421.85,3454.41
PWM_16: ER1.8 U1.62 | length 348.8
  Top Layer w10: 3190.5,3715.5 3402.17,3503.83 U1.62@3402.17,3454.41
PWM_17: ER5.6 U1.37 | length 723.4
  Top Layer w10: U1.37@3725.95,3170 3950,3170 3972,3148 3972,2680.5 ER5.6@3971.5,2680
PWM_18: ER5.8 U1.38 | length 744.1
  Top Layer w10: U1.38@3725,3190.63 3953.37,3190.63 4003,3141 ER5.8@4003,2695.49
PWM_19: ER6.2 U1.39 | length 808.7
  Top Layer w10: U1.39@3725,3210.32 3955.32,3210.32 4073,3328 ER6.2@4072.99,3740
PWM_20: ER6.4 U1.40 | length 772.7
  Top Layer w10: U1.40@3725,3230 3949,3230 4042,3323 4042,3739.5 ER6.4@4041.5,3740
PWM_21: ER2.2 U1.14 | length 551.9
  Top Layer w10: ER2.2@3177.01,2690 3177.01,3117.01 3191.57,3131.57 U1.14@3295.87,3131.57
PWM_22: ER2.4 U1.15 | length 495.6
  Top Layer w10: ER2.4@3208.5,2690 3208.5,3088.5 3231.89,3111.89 U1.15@3295.87,3111.89
PWM_23: ER2.6 U1.16 | length 450.9
  Top Layer w10: ER2.6@3240,2690 3240,3080 3252.21,3092.21 U1.16@3295.87,3092.21
PWM_24: ER2.8 U1.17 | length 414.2
  Top Layer w10: ER2.8@3271.5,2690 3271.5,2999.5 3297.28,3025.28 3361.8,3025.28 U1.17@3361.8,3028.96
RESET: C10.2 R4.1 reset.1 U1.7 | length 1263.5
  Top Layer w10: R4.1@2534,3060 2534,3055.44 C10.2@2594.5,2994.94 2648.06,2994.94 2717,2926 2789,2926 2847,2868 v1(2845,2867) ; v1(2847,3280) 2858,3269 U1.7@3295.5,3269
  Bottom Layer w10: v1(2845,2867) v1@2845,3280
SPI2_CK: SPI.3 U1.34 | length 418.6
  Top Layer w10: U1.34@3725,3111.89 3840.11,3111.89 v1(3924,3028)
  Bottom Layer w10: v1(3924,3028) 4042,2910 SPI.3@4060,2910
SWCLK: SWD.3 U1.49 | length 972.7
  Top Layer w10: U1.49@3658.07,3454.41 v1@3813.41,3454.41 ; SWD.3@4206,3041 4206,3075 4248,3117 4248,3373 v1(4238,3383)
  Bottom Layer w10: v1(3814,3455) 4110,3455 4172,3393 4228,3393 v1(4238,3383)
SWDIO: SWD.2 U1.46 | length 673
  Top Layer w10: U1.46@3725,3348.11 3871.11,3348.11 v1(3888,3377) ; v1(4104,3377) 4104,3239 SWD.2@4204,3139
  Bottom Layer w10: v1(3888,3377) v1@4102,3377
USART3_RX: U1.52 UART2.3 | length 1294
  Top Layer w10: U1.52@3599.02,3454.41 3599.02,3558.02 3623,3582 v1(3623,3693)
  Bottom Layer w10: UART2.3@2871,4106 2944,4033 2944,3871 2974,3841 3509.96,3841 3522.35,3828.61 ; 3518.37,3834 3623,3729.37 v1(3623,3693)
USART3_TX: U1.51 UART2.4 | length 1393.9
  Top Layer w10: U1.51@3618.7,3454.41 3618.7,3551.7 3654,3587 v1(3654,3672)
  Bottom Layer w10: UART2.4@2871,4206 2871,4177 2966,4082 2966,3894 2999,3861 3516.83,3861 3654,3723.83 v1(3654,3672)
USART5_RX: U1.54 UART1.3 | length 1500.5
  Top Layer w10: U1.54@3559.65,3454.41 3559.65,3667.65 3568,3676 v1(3568,3685)
  Bottom Layer w10: UART1.3@2584,4104 2725,4104 2768,4061 2768,3891.96 2864.96,3795 3489,3795 3565,3719 v1@3565,3692
USART5_TX: U1.53 UART1.4 | length 1657.8
  Top Layer w10: U1.53@3579.33,3454.41 3579.33,3563.33 3599,3583 v1(3599,3654)
  Bottom Layer w10: UART1.4@2584,4204 2764,4204 2785,4183 2785,3900.41 2867.41,3818 3508.92,3818 3597.87,3729.04 v1@3597.87,3655.13
VCC_3.3: *1.9 C3.2 C8.2 C9.1 C11.1 C12.1 C13.2 IIC.2 R1.1 R3.1 R4.2 SWD.1 U1.1 U1.19 U1.32 U1.48 U1.64 U3.2 U3.4 UART1.1 UART2.1 | length 8180.9
  Top Layer w10: R4.2@2534.06,3114.5 2588.56,3060 R3.1@2600,3060 2605.63,3060 2665.63,3000 2962,3000 3083,2879 v1@3083,2736 ; UART1.1@2584,3904 2586,3906 UART2.1@2871,3906 ; v1@3232,3535 3232,3407 3251.52,3387.48 U1.1@3295.87,3387.48 3354.48,3387.48 3359,3392 ; v1(3316,2730) 3316,2851 3315.69,2851.31 3402.17,2937.79 U1.19@3402.17,3025.28 3402.17,3105.17 v3(3420,3123) ; U1.64@3363,3417 3363,3396 3359,3392 ; v3@3468.56,3300 3451,3300 3359,3392 ; v3(3470.06,3298.5) 3499.56,3269 3594.56,3269 v3(3625.06,3299.5) 3657.57,3299.5 ; v3(3622,3178) 3658.07,3178 ; v4(3709,2731) 3709,2916 3658.07,2966.93 U1.32@3658.07,3025.28 3658.07,3376.07 3669.48,3387.48 U1.48@3725,3387.48 ; SWD.1@4198,3258 4158.47,3297.53 4158.47,3478.2 4159,3478.73 4159,3543.27 4158.47,3543.8 4158.47,3619.47 IIC.2@4200,3661 4266,3595 4266,2943.69 4217,2894.69 v4(4217,2729) v4@4214,2732 ; R1.1@4727.5,2596.06 4727.5,2562.94 C13.2@4778.5,2511.94 4778,2511.44 v1(4778,2465)
  Top Layer w15: U3.4@4445,2473 4453,2465 v1(4778,2465)
  Top Layer w25: U3.4@4445,2473 U3.2@4445,2713
  Bottom Layer w10: UART1.1@2584,3904 2734.75,3904 2752,3886.75 2752,3885.33 2858.33,3779 2859.75,3779 2867.75,3771 3071,3771 3231,3611 v1@3231,3528 ; *1.9@2729,2281 2729,2314 3080,2665 v1(3080,2733) ; IIC.2@4200,3645 IIC.2@4200,3661
  Bottom Layer w15: v1(4778,2465) 4778,2202 v1(4778.5,2201.5)
  Bottom Layer w20: v1@3082,2731 3089,2724 3702,2724 v4(3709,2731) v4(4439,2731)
  other v1: 3230,3535
VCC_6.5V: D1.2 D2.2 H1.4 H1.5 H1.6 H2.4 H2.5 H2.6 H3.4 H3.5 H3.6 H4.4 H4.5 H4.6 H5.4 H5.5 H5.6 H6.4 H6.5 H6.6 H7.4 H7.5 H7.6 H8.4 H8.5 H8.6 P4.1 P5.1 U2.2 | length 13257
  Top Layer w20: D2.2@4579,4357 4703,4357 P5.1@4717,4343 4787,4273 ; D1.2@4580,4079 4703,4079 P4.1@4722,4098 4787,4163 4787,4273 ; U2.2@4866,4393 4787,4314 4787,4273
  Top Layer w50: 2927,2283 2927,2225 2863,2161 2662.32,2161 2660.32,2163 2598,2163 2486.47,2274.53 2486.47,4220.53 2533.47,4267.53 2921.47,4267.53 2949.94,4239.06 2949.94,4160.06
  Top Layer w60: 2927,2283 H1.4@3004.56,2360.56 ; 2949.94,4160.06 H2.6@3020,4090 H2.5@3120,4090 H2.4@3220,4090 H4.6@3360,4090 H4.5@3460,4090 H4.4@3560,4090 H6.6@3700,4090 H6.5@3800,4090 H6.4@3900,4090 H8.6@4040,4090 H8.5@4140,4090 H8.4@4240,4090 4343,3987 4768,3987 ; H1.4@3012,2362 H1.5@3112,2362 H1.6@3212,2362 H5.4@3701,2362 H5.5@3801,2362 H5.6@3901,2362 H7.4@4039,2362 H7.5@4139,2362 H7.6@4239,2362
  Top Layer w70: 4768,3987 4866,4085 U2.2@4866,4393
  Bottom Layer w50: 2537,4269 2925,4269 2948,4246 2948,4162 ; 2660.32,2163 2662.32,2161
  Bottom Layer w60: 2537,4269 2486,4218 2486,2272 2595,2163 2660.32,2163 ; 2662.32,2161 2860,2161 2926,2227 ; 2926,2230 2926,2284 H1.4@3001,2359 ; 2948,4162 H2.6@3020,4090 H2.5@3120,4090 H2.4@3220,4090 H4.6@3360,4090 H4.5@3460,4090 H4.4@3560,4090 H6.6@3700,4090 H6.5@3800,4090 H6.4@3900,4090 H8.6@4040,4090 H8.5@4140,4090 H8.4@4240,4090 ; H1.4@3012,2362 H1.5@3112,2362 H1.6@3212,2362 H5.4@3701,2362 H5.5@3801,2362 H5.6@3901,2362 H7.4@4039,2362 H7.5@4139,2362 H7.6@4239,2362
VCC_7.4V: D3.1 S1.1 U2.1 | length 1205.6
  Top Layer w30: D3.1@4780,2771 4780,3330
  Top Layer w80: S1.1@4498.74,3417.48 4640,3276.22 4702.22,3276.22 4768,3342 4768,3495 U2.1@4866,3593
VCC_IN: DC_IN.1 RS.2 S1.2 | length 1418.1
  Top Layer w80: DC_IN.1@4339,3004 4336.95,3006.05 4336.95,3484.95 4411,3559 4534.39,3559 S1.2@4675.91,3417.48
  Bottom Layer w80: RS.2@4527,3863.85 4675.91,3714.94 S1.2@4675.91,3417.48
pads on no net: S1.3 Y1. Y2.
copper on no net: | length 303739.8